# Altium PCB PCB1.PcbDoc
Units mil, origin at the board's own origin, x right, y up, seen from the top; angles counter-clockwise.
Board outline 2700 x 1400 mil, 2 copper layers (Top Layer, Bottom Layer); 51 components, 67 nets, 239 pads, 85 vias.
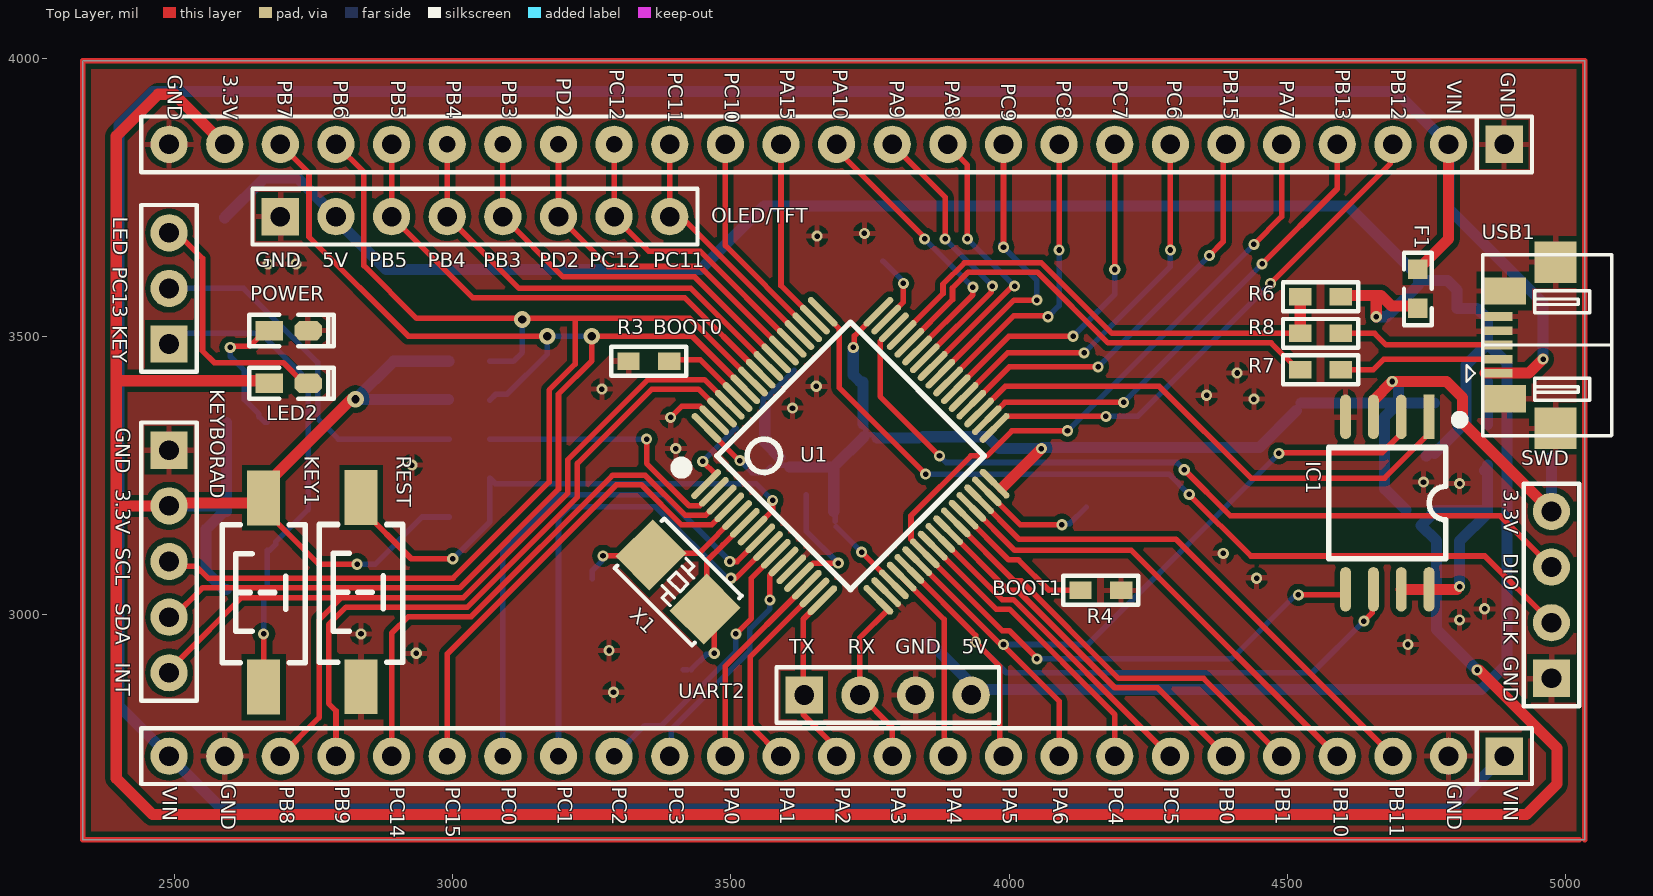
[diagram p0: Top Layer view]
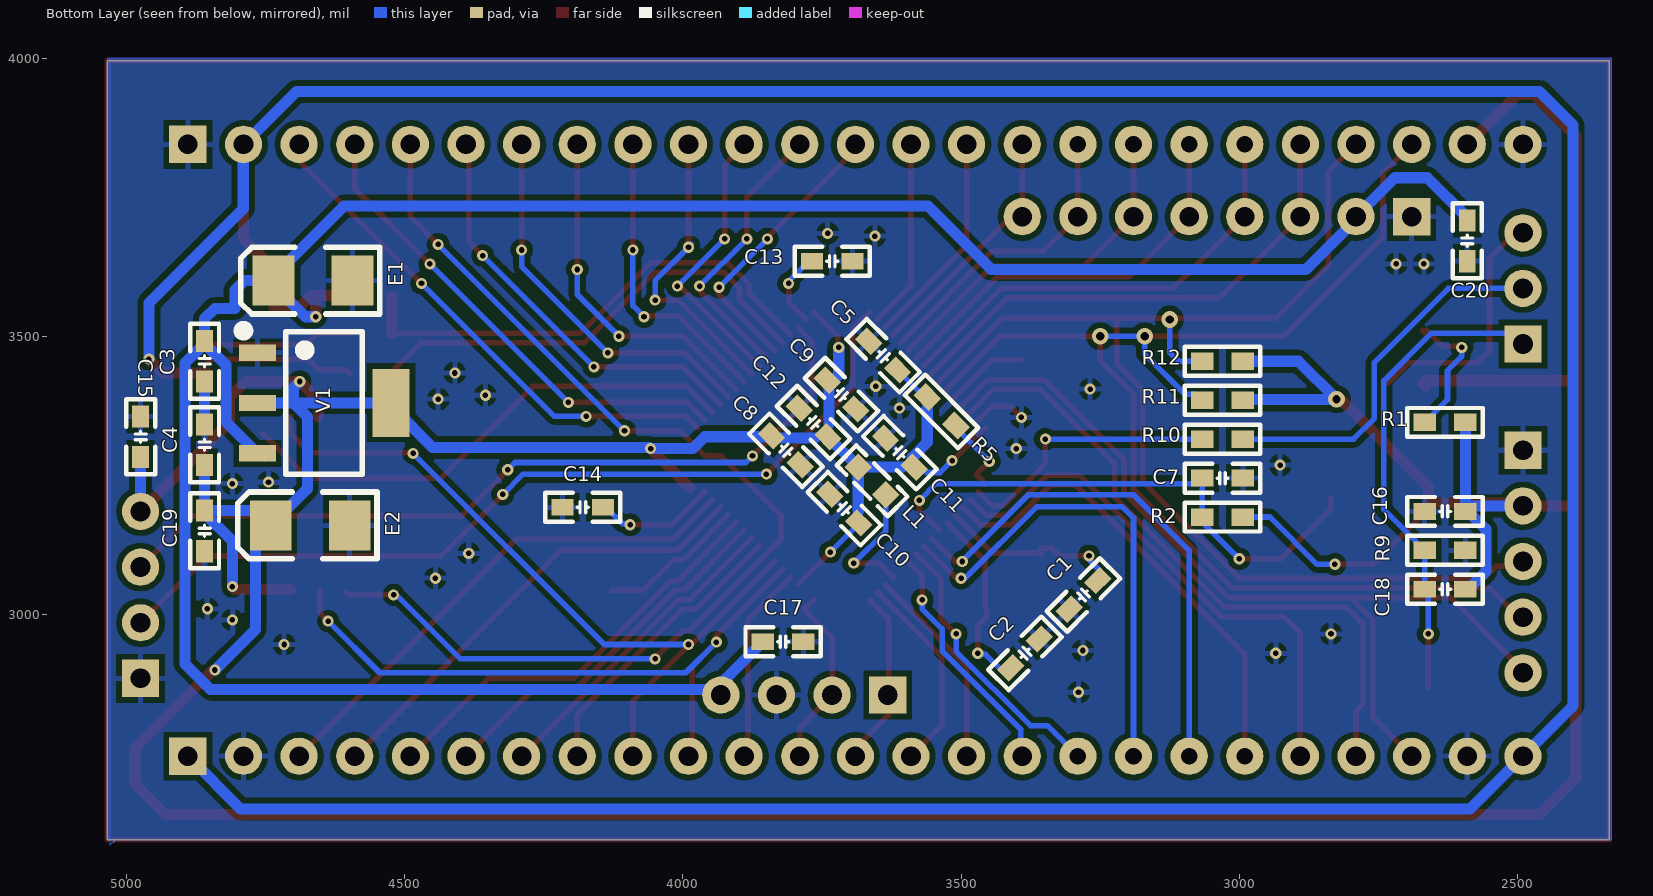
[diagram p1: Bottom Layer view, seen from below]

## Layer stack, top to bottom
Top Solder: solder mask 0.4, Solder Resist, Dk 3.5
Top Layer: signal copper 1.4
Dielectric 1: dielectric 12.6, FR-4, Dk 4.8
Bottom Layer: signal copper 1.4
Bottom Solder: solder mask 0.4, Solder Resist, Dk 3.5

## Board outline
2335,2595 5035,2595 5035,3995 2335,3995

## Design rules (kind name [scope] priority, off if disabled: settings)
Clearance [All] p1: gap=10 ignorepadtopadclearanceinfootprint=TRUE except(0: Arc-Hole Track-Hole SMDPad-Hole THPad-Hole Via-Hole Fill-Hole Poly-Hole Region-Hole Text-Hole; 7: Arc-Arc Arc-Track Arc-SMDPad Track-Track Track-SMDPad)
PolygonConnect [All] p1: connectstyle=Relief reliefconductorwidth=10 reliefentries=4 polygonreliefangle="90 Angle" airgapwidth=10
RoutingVias [All] p1: holewidth=10 width=20 viastyle="Through Hole" minholewidth=10 minwidth=20 maxholewidth=28 maxwidth=50
SolderMaskExpansion [All] p1: expansion=4
Width [All] p1: maxlimit=50 minlimit=10 preferedwidth=10 minimp=50.000000 maximp=50.000000 favimp=50.000000
30 further rules are at their usual default settings.

## Classes and differential pairs
component class 最小系统: C1 C2 C3 C4 C5 C7 C8 C9 C10 C11 C12 C13 C14 C15 C16 C17 C18 C19 C20 E1 E2 F1 IC1 KEY1 L1 LED2 POWER R1 R2 R3 R4 R5 R6 R7 R8 R9 R10 R11 R12 REST U1 USB1 V1 X1

## Components (designator, comment, footprint, x,y, rotation, side; value= is the part's Value field where it differs from the comment)
C1 "22pF" "C 0603_M" 3280,3035 r135 bottom
C2 "22pF" "C 0603_M" 3385,2930 r315 bottom
C3 "0.1uf" "C 0603_M" 4860,3455 r90 bottom
C4 "0.1uf" "C 0603_M" 4860,3305 r270 bottom
C5 "0.1uf" "C 0603_M" 3640,3465 r45 bottom
C7 "0.1uf" "C 0603_M" 3030,3245 r0 bottom
C8 "0.1uF" "C 0603_M" 3815,3295 r45 bottom
C9 "0.1uF" "C 0603_M" 3715,3395 r45 bottom
C10 "0.1uF" "C 0603_M" 3710,3190 r225 bottom
C11 "0.1uf" "C 0603_M" 3610,3290.57 r225 bottom
C12 "0.1uf" "C 0603_M" 3765,3345 r225 bottom
C13 "2.2uf" "C 0603_M" 3731.61,3635 r0 bottom
C14 "2.2uf" "C 0603_M" 4180,3192.42 r180 bottom
C15 "0.1uf" "C 0603_M" 4975,3319.19 r90 bottom
C16 "0.1uf" "C 0603_M" 2630,3185 r0 bottom
C17 "0.1uf" "C 0603_M" 3820,2950.81 r0 bottom
C18 "0.1uf" "C 0603_M" 2630,3045 r180 bottom
C19 "0.1uf" "C 0603_M" 4860,3150 r270 bottom
C20 "0.1uf" "C 0603_M" 2590,3671.5 r270 bottom
E1 "22uf" "CD B(3528)" 4665,3600 r180 bottom
E2 "22uf" "CD B(3528)" 4670,3160 r180 bottom
F1 "" "FU 0603" 4735,3585 r270 top
IC1 "W25Qxx" SOP8W_L 4680,3200 r270 top
KEY1 "3x6x5" "TSW SMD-3*6*5" 2660,3039.31 r90 top
L1 "4.7uH" "L 0603" 3660,3240 r225 bottom
LED2 "BLUE" "LED 0603B" 2705,3415 r0 top
P1 "HDR-1X4" HDR2.54-LI-4P 4975,3035 r90 top
P2 "HDR-1X5" HDR2.54-LI-5P 2490,3095 r270 top
P3 "HDR-1X4" HDR2.54-LI-4P 3781.86,2855 r0 top
P4 "HDR-1X3" HDR2.54-LI-3P 2490,3585.9 r90 top
P5 "HDR-1X8" HDR2.54-LI-8P 3040,3715 r0 top
P6 "FPC1.0-25P" HDR2.54-L1-25P 3740,3845 r180 top
P7 "FPC1.0-25P" HDR2.54-L1-25P 3740,2745 r180 top
POWER "红色" "LED 0603W" 2705,3510 r0 top
R1 "1K" "R 0603_M" 2630,3345 r0 bottom
R2 "4.7K" "R 0603_M" 3030,3175 r180 bottom
R3 "10K" "R 0603_M" 3352.45,3455 r0 top
R4 "10K" "R 0603_M" 4165,3043.15 r180 top
R5 "0R" "R 0603_M" 3535,3365 r225 bottom
R6 "4.7K" "R 0603_M" 4560,3571.3 r0 top
R7 "20" "R 0603_M" 4560,3440 r0 top
R8 "20" "R 0603_M" 4560,3505 r0 top
R9 "4.7K" "R 0603_M" 2630,3115 r0 bottom
R10 "1K" "R 0603_M" 3030,3315 r0 bottom
R11 "100" "R 0603_M" 3030,3385 r180 bottom
R12 "100" "R 0603_M" 3030,3455 r180 bottom
REST "3x6x5" "TSW SMD-3*6*5" 2835,3040.02 r90 top
U1 "STM32F405RG" "LQFP64 10X10_N" 3715,3285 r315 top
USB1 "USB-5P" USB-MICRO_E 4970,3484.3 r90 top
V1 "AMS1117-3V3" SOT223_L 4645,3380 r270 bottom
X1 "8MHz" "OSC 5032-2P" 3405,3058.23 r135 top

## Footprints (in the part's own frame and the unit in brackets; to place one, negate y for a bottom-side part, rotate by r counter-clockwise, add the part's x,y. Pads: shape width x height; smd on the part's side, far side on the other; paste and mask are expansions set on the pad)
"C 0603_M" [mil] "无极性贴片电容"
  rect 40x30 smd: 1(-36.5,0) 2(36.5,0)
  silkscreen extent -67,-26 67,26, body extent -31,-16 31,16, height 32
"CD B(3528)" [mil] "长3.5mm，宽2.8mm，厚1.9mm"
  rect 75x90 smd: 1(-70.87,-0.01) 2(70.86,-0.01)
  silkscreen extent -130,-60 120,60, body extent -69,-55 69,55, height 75
"FU 0603" [mil] "贴片保险丝"
  rect 35x35 smd: 1(-35,0) 2(35,0)
  silkscreen extent -65,-25 65,25, body extent -31,-16 31,16, height 20
HDR2.54-L1-25P [mm] "25单排引脚"
  rect 1.7x1.7 hole 0.9: 1(-29.21,0)
  round 1.7 hole 0.9: 2(-26.67,0) 3(-24.13,0) 4(-21.59,0) 5(-19.05,0) 6(-16.51,0) 7(-13.97,0) 8(-11.43,0) 9(-8.89,0) 10(-6.35,0) 11(-3.81,0) 12(-1.27,0) 13(1.27,0) 14(3.81,0) 15(6.35,0) 16(8.89,0) 21(21.59,0) 22(24.13,0) 23(26.67,0) 24(29.21,0) 25(31.75,0)
  round 1.7 hole 0.762: 17(11.43,0) 18(13.97,0) 19(16.51,0) 20(19.05,0)
  silkscreen extent -30.48,-1.27 33.02,1.27, body extent -30.48,-1.27 33.02,1.27, height 8.5
HDR2.54-LI-3P [mm] "排针，3脚"
  rect 1.7x1.7 hole 0.9: 1(-2.54,0)
  round 1.7 hole 0.9: 2(0,0) 3(2.54,0)
  silkscreen extent -3.81,-1.27 3.81,1.27, body extent -3.81,-1.27 3.81,1.27, height 8.5
HDR2.54-LI-4P [mm] "排针，4脚"
  rect 1.7x1.7 hole 0.9: 1(-3.81,0)
  round 1.7 hole 0.9: 2(-1.27,0) 3(1.27,0) 4(3.81,0)
  silkscreen extent -5.08,-1.27 5.08,1.27, body extent -5.08,-1.27 5.08,1.27, height 8.5
HDR2.54-LI-5P [mm] "排针，5脚"
  rect 1.7x1.7 hole 0.9: 1(-5.08,0)
  round 1.7 hole 0.9: 2(-2.54,0) 3(0,0) 4(2.54,0) 5(5.08,0)
  silkscreen extent -6.35,-1.27 6.35,1.27, body extent -6.35,-1.27 6.35,1.27, height 8.5
HDR2.54-LI-8P [mm] "排针，8脚"
  rect 1.7x1.7 hole 0.9: 1(-8.89,0)
  round 1.7 hole 0.9: 2(-6.35,0) 3(-3.81,0) 4(-1.27,0) 5(1.27,0) 6(3.81,0) 7(6.35,0) 8(8.89,0)
  silkscreen extent -10.16,-1.27 10.16,1.27, body extent -10.16,-1.27 10.16,1.27, height 8.5
"L 0603" [mil] "小功率贴片电感"
  rect 35x35 smd: 1(-35,0) 2(35,0)
  silkscreen extent -65,-25 65,25, body extent -31,-16 31,16, height 31
"LED 0603B" [mil] "蓝色0603LED"
  rect 50x35 smd: 1(-35,0.26)
  oct 50x35 smd: 2(35,0.26)
  silkscreen extent -71,-28 81,28, body extent -31,-16 32,16, height 24
"LED 0603W" [mil] "白色0603LED"
  rect 50x35 smd: 1(-35,0.26)
  oct 50x35 smd: 2(35,0.26)
  silkscreen extent -71,-28 81,28, body extent -31,-16 32,16, height 18
"LQFP64 10X10_N" [mm] "64脚，体宽10x10mm，脚距0.5mm"
  oval 0.3x1.8 smd: 1(-3.75,-5.575) 2(-3.25,-5.575) 3(-2.75,-5.575) 4(-2.25,-5.575) 5(-1.75,-5.575) 6(-1.25,-5.575) 7(-0.75,-5.575) 8(-0.25,-5.575) 9(0.25,-5.575) 10(0.75,-5.575) 11(1.25,-5.575) 12(1.75,-5.575) 13(2.25,-5.575) 14(2.75,-5.575) 15(3.25,-5.575) 16(3.75,-5.575) 33(3.75,5.55) 34(3.25,5.55) 35(2.75,5.55) 36(2.25,5.55) 37(1.75,5.55) 38(1.25,5.55) 39(0.75,5.55) 40(0.25,5.55) 41(-0.25,5.55) 42(-0.75,5.55) 43(-1.25,5.55) 44(-1.75,5.55) 45(-2.25,5.55) 46(-2.75,5.55) 47(-3.25,5.55) 48(-3.75,5.55)
  oval 1.8x0.3 smd: 17(5.55,-3.75) 18(5.55,-3.25) 19(5.55,-2.75) 20(5.55,-2.25) 21(5.55,-1.75) 22(5.55,-1.25) 23(5.55,-0.75) 24(5.55,-0.25) 25(5.55,0.25) 26(5.55,0.75) 27(5.55,1.25) 28(5.55,1.75) 29(5.55,2.25) 30(5.55,2.75) 31(5.55,3.25) 32(5.55,3.75) 49(-5.55,3.75) 50(-5.55,3.25) 51(-5.55,2.75) 52(-5.55,2.25) 53(-5.55,1.75) 54(-5.55,1.25) 55(-5.55,0.75) 56(-5.55,0.25) 57(-5.55,-0.25) 58(-5.55,-0.75) 59(-5.55,-1.25) 60(-5.55,-1.75) 61(-5.55,-2.25) 62(-5.55,-2.75) 63(-5.55,-3.25) 64(-5.55,-3.75)
  silkscreen extent -5.33,-6.09 4.32,4.32, body extent -6,-6 6,6, height 1.45
"OSC 5032-2P" [mm] "5mm*3.2mm*0.8mm(长*宽*高)"
  rect 2.2x2.4 smd: 1(-1.75,0) 2(1.75,0)
  silkscreen extent -2.5,-1.6 2.5,1.6, body extent -2.5,-1.6 2.5,1.6, height 0.86
"R 0603_M" [mil] "1/10W贴片电阻"
  rect 40x31.5 smd: 1(-36.5,0) 2(36.5,0)
  silkscreen extent -68,-26 68,26, body extent -31,-16 31,16, height 16
SOP8W_L [mil] "5.3*8.3*1.8mm（长宽高）"
  rect 80x19.68 smd: 1(-155,75)
  oval 80x19.68 smd: 2(-155,25) 3(-155,-25) 4(-155,-75) 5(155,-75) 6(155,-25) 7(155,25) 8(155,75)
  silkscreen extent -156,-105 100,136, body extent -155,-104 155,104, height 75
SOT223_L [mm] "6.4x7x1.6mm(长宽高)"
  rect 0.75x1.7 smd: 1(-2.3,-3.048) 2(0,-3.048) 3(2.3,-3.048)
  rect 3.1x1.7 smd: 2(0,3.048)
  silkscreen extent -3.5,-3.88 3.25,1.75, body extent -3.25,-3.51 3.25,3.51, height 1.65
"TSW SMD-3*6*5" [mm] "3*6*5mm"
  rect 2.5x1.5 smd: 1(-4.318,0) 2(4.318,0)
  silkscreen extent -3.21,-1.9 3.09,1.9, body extent -4.6,-1.75 4.6,1.75, height 5.1
USB-MICRO_E [mm] "micro型USB ，5.9*8.2*2.5mm"
  rect 0.4x1.4 smd: 1(-1.296,2.355) 2(-0.648,2.355) 3(0,2.355) 4(0.648,2.355) 5(1.295,2.355)
  rect 1.9x1.9 smd: 5(-3.81,-0.312) 5(3.784,-0.312)
  rect 1.25x2 smd: 5(-2.464,2.025) 5(2.464,2.025)
  silkscreen extent -4.14,-2.89 4.11,3.75, body extent -3.98,-2.77 3.98,2.65, height 2.69

## Part data
C1 C2 C3 C4 C5 C7 C8 C9 C10 C11 C12 C13 C14 C15 C16 C17 C18 C19 C20: library part C, "无极性贴片电容"
E1 E2: library part C-CD, "贴片钽电容"
F1: library part FU, "贴片保险丝"
IC1: "外置Flash"
KEY1 REST: library part "TSW 3x6", "3x6轻触开关"
L1: library part L, "小功率贴片电感"
LED2 POWER: library part LED-SMD, "贴片LED"
P1 P3: library part "Header 4", "4P接插件"
P2: library part "Header 5", "5P接插件"
P4: library part "Header 3", "3P接插件"
P5: library part "Header 8", "8P接插件"
P6 P7: library part FPC-25P, "FPC连接器"
R1 R2 R3 R4 R5 R6 R7 R8 R9 R10 R11 R12: library part R, "贴片电阻"
U1: library part STM32F205RG, "32位STM单片机"
USB1: "微型USB母座"
V1: library part AMS1117, "三端稳压芯片"
X1: library part XTAL-2P, "2脚无源脚晶振"

## Via types
v1: diameter 20, hole 10, Top Layer to Bottom Layer, 81 vias
v2: diameter 30, hole 15, Top Layer to Bottom Layer, 4 vias

## Nets (pads, with @x,y where several pads share a name; then routed paths per layer and width w, separated by ;. In a path a pad name is that pad's centre, name@x,y a point inside that pad or via, vN(x,y) a via of type N, cw(c..) or ccw(c..) an arc to the next point about the centre after c; other vN are vias at no path point)
3.3V: C4.2 C5.1 C8.2 C9.2 C10.2 C11.2 C12.2 C15.1 C16.1 C18.2 C19.1 E2.1 IC1.3 IC1.7 IC1.8 KEY1.2 L1.1 LED2.1 P1.4 P2.2 P6.24 R1.1 R2.2 R5.1 R11.2 R12.2 U1.19 U1.32 U1.48 U1.64 V1.2 | length 10135.8
  Top Layer w10: KEY1.2 2660,3189.63 2759.63,3090 v1(2827.98,3090) ; U1.64 v1@3516.21,3275 ; v1(3720,3480) 3721.91,3481.91 3721.91,3500.7 U1.48 ; v1(3735,3111.89) U1.19
  Top Layer w20: P2.2 2395,3195 ; P2.2@2495,3200 KEY1.2@2659.47,3200 ; P6.24 2500,3935 2470,3935 2395,3860 2395,3420 ; KEY1.2 2660,3229 2817.87,3386.87 v2(2825,3386.87) ; LED2.1@2665,3410.25 LED2.1 2665.26,3420 2395,3420 ; U1.32@3987.29,3227.29 v1(4058,3298.01) ; IC1.3 4655,3384.85 v1(4688.78,3418.63) 4786.37,3418.63 4815,3390 4815,3345 P1.4 ; IC1.7 IC1.8 v1@4805,3045 ; v1(4841.5,2900) 4845,2900 4985,2760 4985,2695 4930,2640 2460,2640 2395,2705 2395,3195 ; 2395,3195 2395,3420
  Bottom Layer w10: v1(2827.98,3090) 2860,3090 2945,3175 R2.2 ; v1(3516.21,3276.38) 3537.59,3255 3561.86,3255 C11.2@3571.62,3264.76 ; R5.1@3560.81,3369.6 3557.8,3372.6 3557.8,3387.8 R5.1 3565.81,3390.81 C5.1 ; C11.2@3587.73,3268.29 3601.87,3268.29 3605.41,3264.75 ; C10.2@3684.75,3184.85 3687.73,3181.87 C10.2@3687.73,3167.73 ; C10.2@3689.19,3157.7 v1(3735,3111.89) ; 3737.27,3342.32 3742.73,3336.87 C12.2@3742.73,3322.73 ; C12.2 C12.2@3742.73,3322.73 ; 3762.32,3317.27 3756.87,3322.73 C12.2@3742.73,3322.73 ; C8.2@3837.27,3317.27 C8.2
  Bottom Layer w20: P2.2 2578.5,3195 2588.5,3185 2556.5,3153 2556.5,3077 2588.5,3045 C18.2 ; C16.1 R1.1 ; R11.2@2992.57,3385.93 2825.93,3385.93 v2(2825,3386.87) 2893.13,3455 R12.2 ; R5.1@3560.81,3369.6 3560.81,3309.35 C11.2@3587.73,3282.44 ; 3605.41,3264.75 L1.1 ; C10.2@3684.75,3184.85 L1.1 ; v1(3720,3480) 3720,3430 C9.2@3731.61,3418.39 ; 3737.27,3342.32 C9.2@3737.27,3417.27 ; C12.2 L1.1 ; 3762.32,3317.27 C8.2@3837.27,3317.27 ; C8.2@3845.81,3319.19 3960.81,3319.19 3981.99,3298.01 v1(4058,3298.01) 4059.99,3300 4450,3300 V1.2@4516.28,3366.28 ; V1.2@4525,3380 4700,3380 ; v1(4688.78,3418.63) 4700,3407.4 4700,3380 ; E2.1@4713.37,3187.49 4675,3225.87 4675,3355 4700,3380 ; V1.2@4765,3380 4700,3380 ; v1(4810,3050) 4810,3131.5 4860,3181.5 C19.1 C4.2@4860,3263.5 ; v1(4841.5,2900) 4768.37,2973.13 4768.37,3132.49 E2.1 4767.38,3186.5 C19.1@4855,3186.5 ; C4.2@4855,3258.5 C4.2@4860,3263.5 ; C4.2 C4.2@4860,3263.5 ; P1.4 C15.1
5V: C3.2 C17.2 C20.1 E1.1 F1.2 P3.4 P5.2 R6.2 V1.3 | length 4793.6
  Top Layer w20: R6.2@4598.32,3573.11 4668.44,3573.11 4687.5,3554.06 4730.94,3554.06 F1.2 ; v1(4660,3535) 4660,3564.67
  Bottom Layer w20: C20.1@2590,3713 2662,3785 2720,3785 P5.2 ; P5.2@2785,3702.3 2785,3715 2880,3620 3445.67,3620 3559.83,3734.16 4609.2,3734.16 4735.87,3607.49 E1.1 ; C17.2@3856.89,2950.42 3942.31,2865 4848.93,2865 4895,2911.07 4895,3451.5 C3.2@4860,3486.5 ; v1(4660,3535) 4678.38,3535 ; 4679.19,3535.81 4735.87,3592.49 E1.1 ; V1.3@4750,3284.68 V1.3@4754.76,3289.45 ; V1.3 4821.73,3346.18 4821.73,3448.23 C3.2@4860,3486.5 ; E1.1 4788.28,3599.99 4805,3583.28 4805,3550 4841.5,3550 4860,3531.5 C3.2 C3.2@4860,3486.5
BOOT0: R3.2 U1.60 | length 147.9
  Top Layer w10: R3.2@3391.52,3457.56 3445,3457.56 U1.60
BOOT1: R4.2 U1.28 | length 266.3
  Top Layer w10: U1.28 3999.44,3098 4017,3098 4071.63,3043.38 R4.2@4128.27,3043.38
GND: C1.1 C2.1 C3.1 C4.1 C5.2 C7.1 C8.1 C9.1 C10.1 C11.1 C12.1 C13.1 C14.1 C15.2 C16.2 C17.1 C19.2 C20.2 E1.2 E2.2 IC1.4 P1.1 P2.1 P3.3 P5.1 P6.1 P6.25 P7.2 P7.24 POWER.2 R3.1 R4.1 R9.1 REST.1 U1.12 U1.18 U1.63 USB1.4 USB1.5 V1.1 | length 174
  Top Layer w10: v1(3391.52,3354.07) 3411.34,3373.89 3444.66,3373.89 3469.53,3349.03 U1.63
  Bottom Layer w20: C4.1 C3.1
  other v1: 3288.84,2860 2934.19,2930 3281.06,2935 4716.92,2945.81 2835,2965 4810,2990 4855,3010 4445,3065 4385,3109.62 4810,3235 4745,3237.7 2926.38,3268.29 3400.89,3298.01 3610.66,3370.81 4440,3386.87 4355,3393.94 3268.08,3405 3653.49,3410 4410,3433.95 2668.08,3630 2717.99,3630 3655,3680 3740,3685
I2C1_SCL: P2.3 P6.22 R12.1 U1.58 | length 2229.7
  Top Layer w10: P2.3 2498.46,3086.54 2538.46,3086.54 2560,3065 3000.36,3065 3173,3237.64 3173,3403 3220,3450 3220,3532 ; P6.22 2840,3795 2840,3626.85 2934.85,3532 3220,3532 ; U1.58 3426.24,3532 3220,3532
  Bottom Layer w10: R12.1 3109.14,3455 3125,3470.86 v2(3125,3530)
I2C1_SDA: P2.4 P6.23 R11.1 U1.59 | length 2348.8
  Top Layer w10: P2.4 2497.5,2995 2548.86,3046.36 ; 2550,3047.5 3012.5,3047.5 3190,3225 3190,3395.96 3250,3455.96 v2(3250,3500) 3430.4,3500 U1.59 ; P6.23 2741.54,3793.46 2741.54,3678.46 2920,3500 v2(3170,3500)
  Bottom Layer w10: R11.1 3077.25,3395.75 3097.65,3395.75 3170,3468.1 v2(3170,3500) v2(3250,3500)
N\R\S\T\: C7.2 R2.1 REST.2 U1.7 | length 989
  Top Layer w10: REST.2 2835,3190.33 2925.33,3100 v1(3000,3100) ; U1.7 3575,3186.76 v1(3575,3205)
  Bottom Layer w10: v1(3000,3100) 3066.5,3166.5 R2.1 C7.2 3076.5,3235 3545,3235 v1(3575,3205)
NetC1_2: C1.2 U1.5 X1.2 | length 332.9
  Top Layer w10: v1(3270,3105) 3322.56,3105 3336.28,3118.72 3356.28,3118.72 X1.2 ; X1.2@3359.07,3109.73 3442.3,3109.73 U1.5
  Bottom Layer w10: C1.2@3250.66,3064.34 3250.66,3078.49 3268.09,3095.92 3268.09,3103.09 v1(3270,3105)
NetC2_2: C2.2 U1.6 X1.1 | length 331.5
  Top Layer w10: v1(3470,2930) 3470,2980 3453.72,2996.28 X1.1 3456.5,3012.3 3456.5,3095.65 3485.63,3124.78 ; 3485.4,3125 U1.6
  Bottom Layer w10: C2.2@3414.34,2900.66 C2.2@3421.42,2900.66 ; C2.2@3428.49,2900.66 3455.92,2928.09 3468.09,2928.09 v1(3470,2930)
NetC13_2: C13.2 U1.47 | length 133.1
  Top Layer w10: U1.47 3779.03,3530.47 3810,3561.44 v1(3810,3595)
  Bottom Layer w10: C13.2@3773.11,3635 3808.09,3600.02 3808.09,3596.91 v1(3810,3595)
NetC14_2: C14.2 U1.31 | length 215.3
  Top Layer w10: U1.31 3960.47,3220.97 4019.66,3161.78 ; 4020.44,3161 v1(4095,3161)
  Bottom Layer w10: v1(4095,3161) 4096.91,3162.91 4108.99,3162.91 C14.2@4138.5,3192.42
NetC18_1: C18.1 KEY1.1 P4.1 R9.2 | length 879.4
  Top Layer w10: KEY1.1 v1(2660,2965)
  Bottom Layer w10: P4.1 2509.1,3505 2655,3505 2740,3420 2740,3188.5 2681.5,3130 2681.5,3125.75 2670.75,3115 R9.2 C18.1 2660,3038.5 v1(2660,2965)
NetL1_2: L1.2 U1.13 | length 228
  Top Layer w10: U1.13 3622.91,3067.15 3647.78,3092.02 v1(3692.98,3092.02)
  Bottom Layer w10: L1.2 3635.25,3149.75 v1(3692.98,3092.02)
NetLED2_2: LED2.2 P4.3 | length 472.6
  Top Layer w10: P4.3@2485,3705 2550,3640 2550,3473.8 2571.18,3452.62 2695.14,3452.62 2732.5,3415.26 LED2.2 LED2.2@2740.13,3415.13
NetP4_2: P4.2 R10.1 | length 674.8
  Bottom Layer w10: P4.2 2624.1,3585.9 2757,3453 2757,3352.19 2794.19,3315 R10.1
NetPOWER_1: POWER.1 R1.2 | length 245.4
  Top Layer w10: v1(2600,3480) 2601.91,3481.91 2634.16,3481.91 POWER.1@2662.5,3510.26 ; POWER.1@2666.25,3506.51 POWER.1
  Bottom Layer w10: v1(2600,3480) 2600,3463.6 2625.5,3438.1 2625.5,3386 2651.5,3360 2651.5,3355.75 2662.25,3345 R1.2
NetR5_2: R5.2 U1.1 | length 142
  Top Layer w10: v1(3449.26,3275) 3472.14,3252.12 3472.14,3250.94 U1.1
  Bottom Layer w10: v1(3449.26,3275) R5.2@3509.19,3334.93
NetR7_2: R7.2 USB1.2 | length 267.4
  Top Layer w10: R7.2@4598.2,3433.3 4604.9,3440 4655,3440 4673.8,3458.8 USB1.2@4855,3458.8
NetR8_2: R8.2 USB1.3 | length 267.1
  Top Layer w10: R8.2 4657.14,3505 4677.85,3484.3 USB1.3@4855,3484.3
PA0: P7.15 U1.14 | length 368.8
  Top Layer w10: P7.15 3490,2906.89 U1.14
PA1: P7.14 U1.15 | length 364.8
  Top Layer w10: P7.14 3535,2800 3535,2924.05 U1.15
PA2_TX: P3.1 P7.13 U1.16 | length 304.4
  Top Layer w10: U1.16 3630,2991.21 3630,2820 P7.13@3690,2760
PA3_RX: P3.2 P7.12 U1.17 | length 332.8
  Top Layer w10: U1.17 3781.86,3009.35 3781.86,3008.16 3731.86,2958.16 P3.2 3790,2796.86 P7.12
PA4: P7.11 U1.20 | length 350.2
  Top Layer w10: U1.20 3806.87,3067.37 3883.4,2990.84 3883.4,2751.6 P7.11@3885,2750
PA5: IC1.6 P7.10 U1.21 | length 1376.2
  Top Layer w10: 3932.72,2969.84 U1.21 3820.79,3081.29 3940,2962.07 v1(3940,2950) 3983.11,2906.89 P7.10@3983.11,2751.89 ; v1(4638,2988) 4653.14,3003.14 IC1.6@4653.14,3043.15
  Bottom Layer w10: v1(3940,2950) 3995,2895 4545,2895 v1(4638,2988)
PA6: IC1.2 P7.9 U1.22 | length 1361.4
  Top Layer w10: U1.22 3982.68,2947.72 3988.09,2947.72 v1(3990,2945.81) 3990,2944.2 4090,2844.2 P7.9 ; v1@4485.57,3290.57 4670.72,3290.57 4705,3324.85 IC1.2
  Bottom Layer w10: v1(3990,2945.81) 4139.74,2945.81 4140.55,2945 v1(4485,3289.45)
PA7: IC1.5 P6.5 U1.23 | length 1973.3
  Top Layer w10: v1(4050,2920) 4050,2921.16 4000.36,2970.81 3987.43,2970.81 U1.23 3848.63,3110.11 3823.76,3134.97 3823.76,3177.3 3931.47,3285 3960,3285 4005,3330 v1(4105,3330) ; v1(4440,3665) 4490,3715 4490,3832.4 P6.5@4496.3,3838.7 ; v1(4520,3035) 4600.52,3035 IC1.5@4605,3039.47
  Bottom Layer w10: v1(4050,2920) 4400,2920 v1@4515,3035 ; v1(4105,3330) v1(4440,3665)
PA8: P6.11 U1.41 | length 509.2
  Top Layer w10: U1.41 4006.08,3590 v1(4010,3590) ; P6.11@3890,3842.63 3925,3807.63 v1(3925,3675)
  Bottom Layer w10: v1(3925,3675) v1(4010,3590)
PA9: P6.12 U1.42 | length 509.4
  Top Layer w10: P6.12 3885,3750 v1(3885,3675) ; U1.42 3968.09,3579.84 3968.09,3588.09 v1(3970,3590)
  Bottom Layer w10: v1(3885,3675) v1(3970,3590)
PA10: P6.13 U1.43 | length 505.8
  Top Layer w10: P6.13@3690,3835.79 3848.09,3677.71 v1(3848.09,3675) ; U1.43 3935,3574.6 v1(3935,3588.09)
  Bottom Layer w10: v1(3848.09,3675) 3932.72,3590.36 3932.72,3588.09 v1(3935,3588.09)
PA11: R7.1 U1.44 | length 835.8
  Top Layer w10: U1.44 3898.28,3565.72 3898.28,3586.72 3926.56,3615 4050.96,3615 4177.96,3488 4471.25,3488 R7.1@4519.25,3440
PA12: R6.1 R8.1 U1.45 | length 895.2
  Top Layer w10: U1.45 3881.28,3576.55 3881.28,3593.76 3919.52,3632 4058,3632 4185,3505 R8.1@4519.25,3505
  Top Layer w20: R8.1 R6.1
PA15: P6.14 U1.50 | length 340.3
  Top Layer w10: P6.14 3590,3590.95 U1.50
PB0: P7.6 U1.26 | length 667.9
  Top Layer w10: U1.26 3998.38,3043.38 4014.71,3043.38 4190,2868.08 4266.92,2868.08 P7.6
PB1: P7.5 U1.27 | length 759.8
  Top Layer w10: U1.27 4009.22,3060.38 4021.75,3060.38 4197.04,2885.08 4349.92,2885.08 P7.5
PB3: P5.5 P6.19 U1.55 | length 726.8
  Top Layer w10: P6.19 P5.5 3198.24,3606.76 3435,3606.76 U1.55
PB4: P5.4 P6.20 U1.56 | length 818.7
  Top Layer w10: P6.20 P5.4 3119.1,3585.9 3428.02,3585.9 U1.56
PB5: P5.3 P6.21 U1.57 | length 910.5
  Top Layer w10: P6.21 P5.3 3036.1,3568.9 3417.18,3568.9 U1.57
PB8: P2.5 P7.23 U1.61 | length 1583.9
  Top Layer w10: P2.5@2507.5,2917.5 2620,3030 2800,3030 ; P7.23 2759.63,2814.63 2759.63,2989.63 2800,3030 ; U1.61 3497.37,3376.87 3452.24,3422 3350.79,3422 3207,3278.21 3207,3217.96 3019.04,3030 2800,3030
PB9: P7.22 U1.62 | length 1177.6
  Top Layer w10: P7.22 2790,2826.63 2776.63,2840 2776.63,2981.63 2808,3013 3026.08,3013 3224,3210.92 3224,3271.17 3357.83,3405 3441.4,3405 3483.45,3362.95 U1.62
PB10: P7.4 U1.29 | length 843.5
  Top Layer w10: U1.29 4010.27,3115 4220,3115 P7.4
PB11: P7.3 U1.30 | length 935.4
  Top Layer w10: U1.30 4018.11,3135 4022.4,3135 4022.47,3134.93 4036.55,3134.93 4036.62,3135 4300,3135 P7.3
PB12: P6.3 U1.33 | length 937.8
  Top Layer w10: U1.33 3994.78,3355.99 v1(4173.95,3355.99) ; v1(4470,3595) 4685,3810 P6.3@4685,3840
  Bottom Layer w10: v1(4173.95,3355.99) 4230.99,3355.99 v1(4470,3595)
PB13: P6.4 U1.34 | length 882.3
  Top Layer w10: U1.34 3960.47,3349.03 3992.43,3380.99 v1(4205.88,3380.99) ; v1(4454.89,3630) 4590,3765.11 P6.4
  Bottom Layer w10: v1(4205.88,3380.99) v1(4454.89,3630)
PB14: IC1.1 U1.35 | length 929.8
  Top Layer w10: U1.35 3993.11,3410 4270,3410 4435,3245 4520,3245 4675.15,3245 IC1.1@4755,3324.85
PB15: P6.6 U1.36 | length 744.8
  Top Layer w10: U1.36@3932.63,3376.87 U1.36 4000.27,3445 v1(4160,3445) ; v1(4360,3645) 4385,3670 P6.6@4385,3840
  Bottom Layer w10: v1(4160,3445) v1(4360,3645)
PC0: P7.19 U1.8 | length 941.9
  Top Layer w10: v1(3497.86,3095) 3511.08,3095 U1.8
  Bottom Layer w10: P7.19 3090,3115 3190,3215 3378.92,3215 3497.86,3096.06 v1(3497.86,3095)
PC1: P7.18 U1.9 | length 890.4
  Top Layer w10: v1(3500,3065) 3508.92,3065 U1.9
  Bottom Layer w10: P7.18 3190,3173.31 3210,3193.31 3364.19,3193.31 3492.5,3065 v1(3500,3065)
PC2: P7.17 U1.10 | length 502.6
  Top Layer w10: v1(3508.92,2965) 3536.76,2992.84 3536.76,3065 U1.10 U1.10@3580.67,3108.42
  Bottom Layer w10: P7.17 3345,2800 3375.36,2800 3508.92,2933.56 v1(3508.92,2965)
PC3: P7.16 U1.11 | length 430.5
  Top Layer w10: v1@3569.72,3026.38 3569.72,3069.63 3594.59,3094.5 U1.11
  Bottom Layer w10: P7.16@3392.86,2747.86 3392.86,2793.46 3533.92,2934.52 3533.92,2973.92 3570,3010 v1(3570,3026.1)
PC4: P7.8 U1.24 | length 528.2
  Top Layer w10: U1.24 3976.7,3009.38 4000.62,3009.38 4190,2820 P7.8
PC5: P7.7 U1.25 | length 565.6
  Top Layer w10: U1.25 3987.54,3026.38 4007.66,3026.38 4270.93,2763.12 P7.7@4270.93,2747.07
PC6: P6.7 U1.37 | length 690.4
  Top Layer w10: U1.37 3997.44,3470 4131,3470 4133,3468 v1(4135,3470) ; v1(4290,3655) P6.7
  Bottom Layer w10: v1(4135,3470) 4290,3625 v1(4290,3655)
PC7: P6.8 U1.38 | length 626.2
  Top Layer w10: U1.38 3999.6,3500 v1(4115,3500) ; v1(4190,3620) P6.8
  Bottom Layer w10: v1(4115,3500) 4190,3575 v1(4190,3620)
PC8: P6.9 U1.39 | length 550.2
  Top Layer w10: U1.39 4008.2,3536.44 4071.44,3536.44 v1(4070,3535) ; v1(4090,3655) P6.9
  Bottom Layer w10: v1(4070,3535) 4090,3555 v1(4090,3655)
PC9: P6.10 U1.40 | length 541.7
  Top Layer w10: U1.40 4008.92,3565 v1(4050,3565) ; P6.10@3989.02,3844.02 P6.10 v1(3990,3660)
  Bottom Layer w10: v1@3985,3665 v1(3990,3660) 4050,3600 v1(4050,3565)
PC10: P6.15 U1.51 | length 389.8
  Top Layer w10: P6.15 3490,3663.11 U1.51
PC11: P5.8 P6.16 U1.52 | length 435.9
  Top Layer w10: P5.8 P6.16 ; P5.8@3400.89,3704.11 3421.17,3704.11 U1.52
PC12: P5.7 P6.17 U1.53 | length 543.1
  Top Layer w10: P6.17 P5.7 3352.56,3652.44 3445,3652.44 U1.53
PC14: P7.21 U1.3 | length 973.4
  Top Layer w10: P7.21 2890,2966 2920,2996 3033.12,2996 3287.12,3250 3345.96,3250 3417.96,3178 3454.4,3178 3482.74,3206.34 U1.3
PC15: P7.20 U1.4 | length 859.8
  Top Layer w10: P7.20 2990,2928.83 3294.17,3233 3338.92,3233 3410.92,3161 3465.24,3161 3496.66,3192.42 U1.4
PD2: P5.6 P6.18 U1.54 | length 635
  Top Layer w10: P6.18 P5.6 3279.6,3625.4 3444.2,3625.4 U1.54
S2_INT: R10.2 U1.2 | length 488.5
  Top Layer w10: v1(3348.5,3315) 3348.5,3271.5 3425,3195 3443.56,3195 3468.82,3220.26 U1.2
  Bottom Layer w10: R10.2 v1(3348.5,3315)
SWCLK: P1.2 U1.49 | length 1629
  Top Layer w10: U1.49@3682.82,3527.15 3681.64,3527.15 U1.49 3664.89,3543.41 3695,3513.3 3695,3407.12 v1(3850,3252.12) ; v1(4323.84,3215.81) 4434.75,3104.89 4855.11,3104.89 P1.2
  Bottom Layer w10: v1(3850,3252.12) 4287.53,3252.12 v1(4323.84,3215.81)
SWDIO: P1.3 U1.46 | length 1481.7
  Top Layer w10: U1.46 3792.95,3515.57 3768.08,3490.71 3768.08,3391.92 v1(3875,3285) ; v1(4315,3260) 4398.01,3176.99 4883.01,3176.99 P1.3
  Bottom Layer w10: v1(3875,3285) 3886.99,3273.01 4301.99,3273.01 v1(4315,3260) ; P1.3@4965.68,3066.97 P1.3@4975,3076.3
VIN: F1.1 P6.2 P7.1 P7.25 USB1.1 | length 6952.7
  Top Layer w20: F1.1 4790,3675 P6.2 ; USB1.1@4855.5,3433.8 4935,3433.8 v1(4960,3458.8) ; P7.1@4870,2765 P7.1
  Bottom Layer w20: P7.1 4795,2650 2585,2650 P7.25 2400,2835 2400,3880 2460,3940 4695,3940 P6.2 4790.37,3844.63 4790.37,3729.63 4960,3560 v1(4960,3458.8)
copper on no net: | length 8190
  Top Layer w10: 5025,2595 2335,2595 2335,3995 5035,3995 5035,2595

## Polygon pours and split planes (outlines as drawn)
GND on Top Layer "Top Layer-GND" (solid, remove dead copper, pour order 218): 2335,3995 5030,3995 5035,3990 5032.5,3987.5 5032.5,2602.5 2337.5,2602.5 2335,2605
no net on Top Layer "Top Layer-No Net 1" (solid, remove dead copper, pour order 216): 2335,3995 5030,3995 5030,2605 5035,2600 5030,2595 2335,2595
no net on Top Layer "Top Layer-No Net" (solid, remove dead copper, shelved, pour order 134): 2335,3995 5035,3995 5035,2595 2335,2595
GND on Top Layer "Top Layer-GND 2" (solid, shelved, pour order 18): 2885,3150.67
GND on Bottom Layer (solid, remove dead copper, pour order 226): 2330,4000 5030,4000 5035,3995 5035,2595 2330,2595
no net on Bottom Layer (solid, remove dead copper, pour order 224): 2330,4000 5030,4000 5030,2600 5035,2595 2330,2595
no net on Bottom Layer "Bottom Layer-No Net 1" (solid, remove dead copper, pour order 174): 2420,3895
no net on Bottom Layer "Bottom Layer-No Net" (solid, remove dead copper, shelved, pour order 136): 2330,4000 5035,4000 5035,2600 5030,2595 2330,2595
GND on Bottom Layer "Bottom Layer-GND 2" (solid, shelved, pour order 0): 2330,4000 5035,4000 5035,2595 2330,2595 2330,4000 5030,4000 5030,2585 5020,2595 2330,2595

## Silkscreen, mask and mechanical layers (free items; w line width, h text height)
Top Overlay:
  text "PC12" at 3273.08,3980 h45 r270
  text "PA15" at 3580,3980 h45 r270
  text "PA10" at 3675,3980 h45 r270
  text "PB15" at 4377.2,3980 h45 r270
  text "PB13" at 4578.65,3980 h45 r270
  text "PB12" at 4677.85,3979.71 h45 r270
  text "PC11" at 3377.94,3975 h45 r270
  text "PC10" at 3480,3975 h45 r270
  text "GND" at 4875,3975 h45 r270
  text "GND" at 2478.45,3970 h45 r270
  text "3.3V" at 2578.65,3970 h45 r270
  text "PD2" at 3177.56,3965 h45 r270
  text "PB7" at 2675.88,3960 h45 r270
  text "PB6" at 2776.63,3960 h45 r270
  text "PB5" at 2880,3960 h45 r270
  text "PB4" at 2980,3960 h45 r270
  text "PB3" at 3080,3960 h45 r270
  text "PA9" at 3776.58,3960 h45 r270
  text "PA8" at 3876.47,3960 h45 r270
  text "PC8" at 4076.91,3960 h45 r270
  text "PC7" at 4178.65,3960 h45 r270
  text "PC6" at 4275,3960 h45 r270
  text "PA7" at 4477.2,3960 h45 r270
  text "VIN" at 4778.65,3960 h45 r270
  text "PC9" at 3976.7,3955 h45 r270
  text "LED" at 2380.58,3715 h45 r270
  text "OLED/TFT" at 3465,3695 h45
  text "PC13" at 2380,3625 h45 r270
  text "GND" at 2645,3615 h45
  text "5V" at 2765,3615 h45
  text "PB5" at 2850,3615 h45
  text "PB4" at 2955,3615 h45
  text "PB3" at 3055,3615 h45
  text "PD2" at 3155,3615 h45
  text "PC12" at 3245,3615 h45
  text "PC11" at 3360,3615 h45
  text "KEY" at 2380,3520 h45 r270
  text "BOOT0" at 3360,3495 h45
  text "KEYBORAD" at 2555,3405 h45 r270
  text "GND" at 2385,3335.12 h45 r270
  text "SWD" at 4921,3259 h45
  text "3.3V" at 2385,3225.12 h45 r270
  text "3.3V" at 4880,3225 h45 r270
  text "SCL" at 2385,3120.12 h45 r270
  text "DIO" at 4880,3110 h45 r270
  text "BOOT1" at 3970,3025 h45
  text "SDA" at 2385,3020.12 h45 r270
  text "CLK" at 4880.28,3015 h45 r270
  text "GND" at 4880,2925 h45 r270
  text "TX" at 3605,2920 h45
  text "RX" at 3710,2920 h45
  text "GND" at 3795,2920 h45
  text "5V" at 3915,2920 h45
  text "INT" at 2385,2912.99 h45 r270
  text "UART2" at 3405,2840 h45
  text "GND" at 2574.7,2695 h45 r270
  text "GND" at 4778.65,2695 h45 r270
  text "PB8" at 2680,2690.58 h45 r270
  text "PB9" at 2780,2690.58 h45 r270
  text "PC1" at 3180,2690.58 h45 r270
  text "PB11" at 4675.28,2690.58 h45 r270
  text "VIN" at 2470,2690 h45 r270
  text "PC14" at 2878.65,2690 h45 r270
  text "PC15" at 2978.65,2690 h45 r270
  text "PC0" at 3078.65,2690 h45 r270
  text "PC2" at 3277.8,2690 h45 r270
  text "PC3" at 3380,2690 h45 r270
  text "PA0" at 3480,2690 h45 r270
  text "PA1" at 3580,2690 h45 r270
  text "PA2" at 3679.87,2690 h45 r270
  text "PA3" at 3779.03,2690 h45 r270
  text "PA4" at 3880,2690 h45 r270
  text "PA5" at 3980,2690 h45 r270
  text "PA6" at 4070,2690 h45 r270
  text "PC4" at 4170,2690 h45 r270
  text "PC5" at 4269.61,2690 h45 r270
  text "PB0" at 4370,2690 h45 r270
  text "PB1" at 4470,2690 h45 r270
  text "PB10" at 4575,2690 h45 r270
  text "VIN" at 4880.28,2690 h45 r270